# KiCad board keyboard.kicad_pcb (continued)
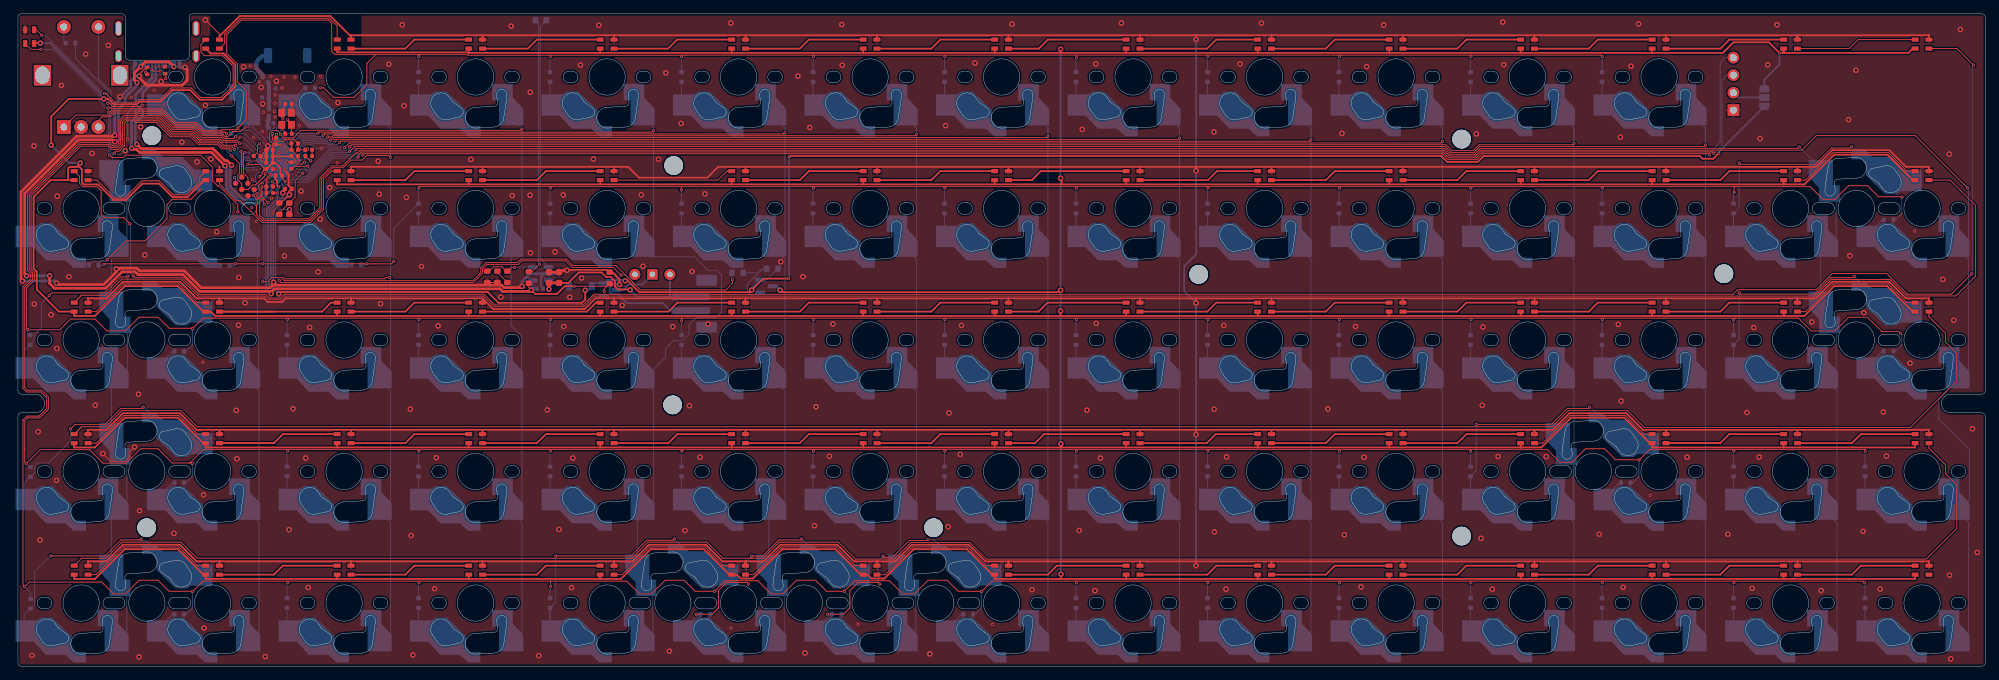
[diagram p0: board, top side]
## Routing (per net, layer and track width the routed paths; a pad name or vN(x,y) marks a point on that pad's centre or on a via; arc(x,y) is an arc through that point) (continued)
/BATP: length 31.5
  Top w0.25: v2(88.69,54.52) 88.64,54.57 86.93,54.57 86.49,55.02 86.49,55.78 85.89,56.38 85.2,56.38 84.55,57.03 81.25,57.03 79.75,55.52 C0.1
  Top w0.4: v2(76.93,54.62) C1.1 C0.1
  Bottom w0.25: v2(88.69,54.52) 89.71,53.5 J2.2 94.68,53.5 94.45,53.73 SW13.2
  Bottom w0.4: v2(76.93,54.62) 76.93,55.85 U2.3
/BATP_SENSE: length 8.1
  Top w0.13: R14.1 37.85,65.63 R13.2 40.15,67.93 40.15,70.3 v1(41.28,71.43)
  Bottom w0.13: U0.J1 41.19,71.52 v1(41.28,71.43)
/BATP_SW: length 73.7
  Top w0.13: v1(37.87,55.86) 38.14,55.58 66,55.58 67.32,56.9 67.32,57.59 67.94,58.21 72.51,58.21 73.02,58.72 79.33,58.72 80.31,57.74 86.28,57.74 v1(87.38,56.64) ; R13.1 39.31,66.12 v2(39.34,66.15)
  Bottom w0.13: 89.41,55.28 88.05,56.64 v1(87.38,56.64) ; v1(37.87,55.86) 37.33,56.4 37.33,65.46 38.02,66.15 v2(39.34,66.15)
  Bottom w0.25: SW13.1 90.44,55.28 88.48,55.28 87.7,54.5 Q0.3
/COL0: length 105.8
  Top w0.13: v1(13.96,74.31) 14.24,74.59 14.61,74.59 15.4,75.39 15.4,78.68 15.71,78.99 16.67,78.99 16.91,78.75 20,78.75 22.06,76.69 25.01,76.69 26.15,75.55 28.92,75.55 29.52,74.94 30.59,74.94 v1(30.77,74.76)
  Bottom w0.13: SW84.2 13.53,21.62 SW45.2 15.77,23.87 15.77,29.42 ; SW79.2 13.53,40.67 SW30.2 ; U0.AD18 33.05,71.87 32.28,72.64 32.28,73.25 v1(30.77,74.76) ; 13.73,74.13 13.78,74.13 v1(13.96,74.31) ; 13.73,74.13 13.73,72.3 SW76.2 ; 13.73,74.13 13.73,74.2 13.43,74.5 13.43,80 13.52,80.09 13.52,83.21 11.65,85.08 SW0.S2 ; SW83.2 13.53,59.72 SW15.2 15.78,61.98 15.78,67.45 ; SW30.2 15.87,43.02 15.87,48.52 15.73,48.66 ; SW30.2 15.77,42.92 ; SW60.2 15.77,4.82 15.77,10.37
/COL1: length 124.3
  Top w0.13: v1(13.08,80.27) 13.13,80.32 13.38,80.32 13.61,80.55 17.35,80.55 17.59,80.31 20.65,80.31 22.71,78.25 25.67,78.25 26.81,77.11 29.62,77.11 30.04,76.69 30.4,76.69 31.16,77.45 32.29,77.45 v1(32.93,78.09) ; v1(13.29,74.02) 13.63,73.68 15.26,73.68 15.61,74.02 26.47,74.02 28.21,72.28 28.21,70.3 28.96,69.55 29.17,69.55 31.85,66.87 v1(31.85,65.82)
  Bottom w0.13: SW61.2 34.92,4.92 34.92,20.83 SW46.2 ; SW16.2 34.69,59.16 34.69,47.91 34.87,47.73 34.87,42.97 SW31.2 ; 34.92,23.97 SW46.2 ; 34.92,23.97 34.92,39.88 SW31.2 ; 34.92,23.97 SW46.2 ; v1(13.29,74.02) 13.17,74.14 13.17,80.18 v1(13.08,80.27) ; SW1.2 33.35,78.22 33.22,78.09 v1(32.93,78.09) 34.02,78.09 U0.J24 ; SW31.2 34.92,43.02 ; v1(31.85,65.82) 31.85,65.13
/COL2: length 130.6
  Top w0.13: v1(34.09,68.19) 34.68,67.6 34.68,66.89 34.56,66.77 34.56,65.42 35.45,64.53 42.24,64.53 44,66.29 44,70.64 45.57,72.21 47.13,72.21 48.23,73.31 49.86,73.31 50.51,73.96 53.73,73.96 v1(53.97,73.72) ; 38.34,56.44 38.67,56.11 53.08,56.11 53.27,56.3 v1(53.86,56.3)
  Bottom w0.13: 53.97,56.13 53.97,43.02 SW32.2 53.97,39.88 53.97,23.97 SW47.2 53.97,20.83 53.97,4.92 SW62.2 ; 53.97,56.13 53.97,58.93 SW17.2 53.97,62.07 v1(53.97,73.72) 53.97,77.98 SW2.2 ; 53.97,56.13 53.97,56.19 v1(53.86,56.3) ; U0.AD16 34.91,71.52 34.41,71.02 34.41,70.23 34.63,70.01 34.63,69.05 34.09,68.51 v1(34.09,68.19)
/COL3: length 117
  Top w0.13: v1(38.42,76.52) 39.89,76.52 41,77.63 72.84,77.63 v1(73.02,77.8)
  Bottom w0.13: U0.B19 38.65,76.29 v1(38.42,76.52) ; SW3.2 73.02,77.98 ; 73.02,77.98 73.02,62.07 SW18.2 71.45,49.31 72.97,47.79 72.97,42.97 SW33.2 73.02,39.88 73.02,23.97 SW48.2 73.02,20.83 73.02,4.92 SW63.2 ; 73.02,77.98 v1(73.02,77.8)
/COL4: length 145.5
  Top w0.13: v1(43.43,77.18) 43.61,77.36 91.85,77.36 v1(92.07,77.58)
  Bottom w0.13: 92.07,77.97 92.07,62.07 SW19.2 91.7,59.3 98.02,59.3 100.01,57.31 101.28,57.31 101.93,56.66 101.93,51.26 101.15,50.48 98.24,50.48 97.22,49.45 97.22,48.06 96.35,47.2 94.99,47.2 93.84,46.05 93.84,44.79 SW34.2 92.07,39.88 92.07,23.97 SW49.2 89.72,21.62 SW75.2 ; 92.07,77.97 v1(92.07,77.58) ; 92.07,77.97 90.5,79.54 SW4.2 ; SW64.2 91.97,4.82 91.97,10.37 ; U0.A20 39.18,77.18 v1(43.43,77.18)
/COL5: length 148.7
  Top w0.13: v1(44.23,76.92) 44.41,77.1 110.94,77.1 v1(111.12,77.28)
  Bottom w0.13: v1(44.23,76.92) 44.05,76.74 43.25,76.74 43.07,76.92 40.34,76.92 U0.A16 ; SW5.2 111.12,77.98 v1(111.12,77.28) 111.12,62.07 SW20.2 111.12,58.93 111.12,43.02 SW35.2 111.12,39.88 111.12,23.97 SW50.2 108.78,21.62 SW78.2 ; 111.02,10.37 111.02,4.82 SW65.2
/COL6: length 168.4
  Top w0.13: v1(130.17,77.03) 129.98,76.84 45.68,76.84 45.5,76.66 v1(44.88,76.66)
  Bottom w0.13: 130.17,77.98 130.17,62.07 SW21.2 130.17,58.93 130.17,43.02 SW36.2 130.17,39.88 130.17,23.97 SW51.2 127.82,21.62 SW80.2 ; 130.17,77.98 SW6.2 ; 130.17,77.98 v1(130.17,77.03) ; v1(44.88,76.66) 44.7,76.48 43.14,76.48 42.96,76.66 40.78,76.66 U0.A14 ; 130.05,10.37 130.07,10.35 130.07,4.82 SW66.2
/COL7: length 194.5
  Top w0.13: v1(149.22,76.79) 149.01,76.58 45.79,76.58 45.43,76.22 v1(45.29,76.22)
  Bottom w0.13: v1(149.22,76.79) 149.22,77.98 ; 149.22,77.98 SW7.2 ; 149.22,77.98 149.22,62.07 SW22.2 149.22,58.93 149.22,43.02 SW37.2 149.22,39.88 149.22,23.97 SW52.2 149.22,20.83 149.22,4.92 ; v1(45.29,76.22) 43.03,76.22 42.85,76.4 41.23,76.4 U0.A12 ; 149.22,4.92 SW67.2 149.22,4.92
/COL8: length 211.7
  Top w0.13: v1(45.94,76.11) 46.15,76.32 143.44,76.32 143.45,76.31 168.09,76.31 v1(168.27,76.49)
  Bottom w0.13: v1(45.94,76.11) 45.61,75.78 45.06,75.78 44.88,75.96 42.92,75.96 42.74,76.14 41.34,76.14 40.59,75.39 U0.A10 ; 168.27,77.98 v1(168.27,76.49) ; 168.27,77.98 168.27,62.07 SW23.2 168.27,58.93 168.27,43.02 SW38.2 168.27,39.88 168.27,23.97 SW53.2 168.27,20.83 168.27,4.92 SW68.2 ; 168.27,77.98 SW8.2
/COL9: length 230.8
  Top w0.13: v1(46.57,75.84) 46.79,76.06 138.38,76.06 138.39,76.05 187.12,76.05 v1(187.32,76.25)
  Bottom w0.13: v1(187.32,76.25) 187.32,77.98 ; 187.32,77.98 187.32,62.07 SW24.2 187.32,58.93 187.32,43.02 SW39.2 187.32,39.88 187.32,23.97 SW54.2 187.32,20.83 187.32,4.92 SW69.2 ; 187.32,77.98 SW9.2 ; v1(46.57,75.84) 46.25,75.52 44.96,75.52 44.78,75.7 42.82,75.7 42.64,75.88 41.45,75.88 40.95,75.38 U0.A8
/COL10: length 250.8
  Top w0.13: v1(47.32,75.13) 47.98,75.79 206.15,75.79 v1(206.37,76.01)
  Bottom w0.13: U0.F2 41.36,72.4 41.77,71.99 42.19,71.99 45.13,74.93 47.12,74.93 v1(47.32,75.13) ; SW70.2 206.37,4.92 206.37,20.83 SW55.2 206.37,23.97 206.37,39.88 SW40.2 206.37,43.02 206.37,58.93 SW25.2 206.37,62.07 206.37,77.98 ; 206.37,77.98 v1(206.37,76.01) ; 206.37,77.98 SW10.2
/COL11: length 278.2
  Top w0.13: v1(48.06,75.22) 48.37,75.53 206.91,75.53 207.76,74.68 210.81,74.68 211.66,75.53 225.22,75.53 v1(225.42,75.73)
  Bottom w0.13: v1(225.42,75.73) 225.42,77.98 ; 225.42,77.98 SW11.2 ; 225.42,77.98 225.42,62.07 SW26.2 225.42,58.93 225.42,43.02 SW41.2 225.42,39.88 225.42,23.97 SW56.2 ; U0.G1 41.52,71.87 41.66,71.73 42.3,71.73 45.24,74.67 47.49,74.67 48.04,75.22 v1(48.06,75.22) ; SW56.2 225.32,23.87 225.32,29.42 ; SW56.2 225.42,20.83 225.42,4.92 SW71.2
/COL12: length 293
  Top w0.13: v1(48.03,74.59) 48.09,74.59 48.77,75.27 206.77,75.27 207.63,74.41 210.91,74.41 211.77,75.27 244.27,75.27 v1(244.47,75.47)
  Bottom w0.13: SW12.2 244.47,77.98 ; U0.L1 40.43,70.98 41.92,70.98 45.35,74.41 47.85,74.41 v1(48.03,74.59) ; 244.47,23.97 SW57.2 ; 244.47,23.97 244.47,39.88 SW42.2 244.47,43.02 244.47,58.93 SW27.2 244.47,62.07 244.47,77.98 ; 244.47,23.97 SW57.2 ; SW57.2 244.47,20.83 244.47,4.92 SW72.2 ; 244.47,77.98 v1(244.47,75.47)
/COL13: length 291
  Top w0.13: v1(258.06,75.23) 257.84,75.01 211.88,75.01 211.02,74.15 207.52,74.15 206.66,75.01 49.14,75.01 v1(48.95,74.82)
  Bottom w0.13: 263.42,67.52 263.42,61.97 SW28.2 261.18,59.72 SW77.2 ; v1(48.95,74.82) 48.28,74.15 45.46,74.15 42.02,70.72 39.98,70.72 U0.N1 ; 263.42,42.92 263.42,48.47 ; 263.42,42.92 SW43.2 ; 263.42,42.92 SW43.2 ; v1(258.06,75.23) 261.18,72.11 SW82.2 ; SW43.2 263.52,39.88 263.52,23.97 SW58.2 263.52,20.83 263.52,4.92 SW73.2
/COL14: length 342.5
  Top w0.13: v1(34.63,68.43) 34.63,68.02 35.04,67.61 35.04,66.55 35.03,66.54 35.03,65.32 35.56,64.79 42.13,64.79 43.74,66.4 43.74,70.75 45.46,72.47 47.02,72.47 48.9,74.35 49.2,74.35 49.6,74.75 206.55,74.75 207.41,73.89 211.13,73.89 211.99,74.75 258.43,74.75 260.54,76.86 274.86,76.86 v1(282.48,69.24)
  Bottom w0.13: 282.57,62.07 282.57,69.15 v1(282.48,69.24) ; 282.57,62.07 SW29.2 ; 282.57,62.07 SW29.2 ; SW44.2 278.27,38.72 278.27,35.82 282.71,31.38 282.71,24.11 SW59.2 282.57,20.83 282.57,4.92 SW74.2 ; SW44.2 282.57,43.02 ; SW44.2 282.57,43.02 ; SW29.2 282.57,58.93 282.57,43.02 ; U0.AD12 35.53,70.81 34.89,70.17 34.89,68.69 v1(34.63,68.43)
/D1+: length 7.5
  Bottom w0.13: 19.96,85.78 19.99,85.75 20.8,85.75 21.04,85.99 21.04,86.62 20.93,86.73
  Bottom w0.4: U3.6 18.06,83.05 19.96,84.95 19.96,86.73
/D1-: length 7.6
  Top w0.13: v1(20.6,86.19) 19.61,86.19 v1(19.38,86.42)
  Bottom w0.13: v1(20.6,86.19) 20.6,86.52 J0.A7
  Bottom w0.4: U3.4 17.06,82.8 19.43,85.17 19.43,86.73
/D2+: length 29.7
  Top w0.4: v2(17.2,75.61) 17.85,74.96 28.26,74.96 30.01,73.21 30.32,73.21 v2(30.95,72.58)
  Bottom w0.4: v2(30.95,72.58) 30.75,72.38 30.75,69.46 32.58,67.62 34.64,67.62 35.41,68.39 R8.1 ; v2(17.2,75.61) 17,75.81 17,78.65 18.06,79.71 U3.1
/D2-: length 30.7
  Top w0.4: v2(16.47,75.01) 16.6,74.88 17.18,74.88 17.64,74.42 28.05,74.42 v2(29.99,72.48)
  Bottom w0.4: R6.1 35.9,68.13 34.86,67.09 32.37,67.09 30.22,69.24 30.22,72.25 v2(29.99,72.48) ; U3.3 17.06,79.46 16.57,78.96 16.55,78.96 16.47,78.89 v2(16.47,75.01)
/D3+: length 1.1
  Bottom w0.25: R8.2 36.06,69.11 U0.AD6
/D3-: length 1.1
  Bottom w0.25: R6.2 36.36,68.7 U0.AD4
/ENC_A: length 32
  Top w0.13: SW0.A 8.38,79.83 13.26,79.83 13.52,80.09 13.52,80.09 13.72,80.29 17.25,80.29 17.49,80.05 20.55,80.05 22.61,77.99 25.56,77.99 26.71,76.85 29.51,76.85 29.93,76.43 31.27,76.43 v1(31.56,76.72)
  Bottom w0.13: v1(31.56,76.72) 32,77.16 32.83,77.16 U0.R24
/ENC_B: length 26.9
  Top w0.13: v1(32.2,76.64) 31.72,76.17 29.82,76.17 29.41,76.59 26.6,76.59 25.45,77.73 22.5,77.73 20.44,79.79 17.38,79.79 17.14,80.03 13.83,80.03 13.78,79.98 13.78,79.98 13.37,79.57 12.18,79.57 11.65,79.04 SW0.B
  Bottom w0.13: v1(32.2,76.64) 32.64,76.64 U0.U24
/LED_D: length 48.7
  Top w0.13: v1(35.82,71.34) 35.82,71.1 34.43,69.71 33.99,69.71 33.33,69.05 J1.3 32.42,69.88 31.83,70.47 31.83,71.09 32.11,71.37 32.11,72.78 v1(30.97,73.92) ; LED0.3 1.89,89.35 v1(3.33,89.35) ; v1(30.22,77.13) 29.98,77.37 26.93,77.37 25.78,78.51 22.82,78.51 20.76,80.57 17.7,80.57 17.46,80.81 13.65,80.81 13.59,80.87 v1(13.06,80.87)
  Bottom w0.13: v1(30.97,73.92) 30.22,74.67 v1(30.22,77.13) ; v1(13.06,80.87) 12.88,80.87 11.71,82.04 11.71,82.74 5.1,89.35 v1(3.33,89.35)
/LED_EN: length 89.9
  Top w0.13: v1(35.47,55.69) 36.2,55.69 36.81,56.3 38.11,56.3 38.56,55.84 65.9,55.84 67.05,57 67.05,57.69 67.83,58.47 71.2,58.47 71.21,58.48 72.4,58.48 72.9,58.98 79.45,58.98 80.4,58.03 86.63,58.03 90.15,54.51 102.57,54.51 103.51,55.45 v1(103.51,56) ; v1(35.33,69.42) 35.33,68.06 v1(36.24,67.15)
  Bottom w0.13: v1(103.51,56) 103.44,56.07 R12.2 ; v1(35.47,55.69) 35.47,56.01 35.9,56.44 35.9,65.02 35.75,65.17 35.75,66.33 36.24,66.82 v1(36.24,67.15) ; v1(35.33,69.42) 35.61,69.42 36.3,70.11 U0.AD8
/ROW0: length 295.9
  Top w0.13: v1(172.39,88.3) 172.39,88.52 ; v1(58.09,88.3) 58.09,88.59 ; 58.09,88.59 65.1,88.59 65.18,88.5 96.17,88.5 ; 58.09,88.59 51.83,88.59 ; v1(153.36,88.14) 153.36,88.52 ; 153.36,88.52 96.8,88.52 96.78,88.5 96.17,88.5 ; 153.36,88.52 229.32,88.52 v1(229.54,88.3) ; v1(134.29,88.3) 134.29,88.52 ; v1(115.24,88.3) 115.24,88.52 ; v1(191.44,88.3) 191.44,88.52 ; 96.17,88.5 96.17,88.35 v1(96.14,88.32) ; v1(210.49,88.3) 210.49,88.52 ; v1(13.02,81.55) 13.27,81.55 13.75,81.07 17.57,81.07 17.81,80.83 20.87,80.83 22.93,78.77 25.89,78.77 27.03,77.63 29.47,77.63 29.55,77.71 31.63,77.71 v1(31.85,77.93) 33.07,79.15 33.07,83.37 31.81,84.63 31.81,87.19 30.25,88.75 30.25,91.48 32.36,93.59 45.04,93.59 45.45,93.18 45.45,89.07 45.94,88.59 51.83,88.59 ; 51.83,88.59 50.55,87.31 50.55,84.25 48.7,82.4 45.7,82.4 44.32,83.78 v1(43.83,83.78) ; v1(77.14,88.3) 77.14,88.52 v1(77.14,88.3)
  Bottom w0.13: 77.09,88.25 v1(77.14,88.3) 77.09,88.25 ; 77.09,88.25 D4.1 ; D12.1 229.49,88.25 v1(229.54,88.3) ; U0.L24 33.76,77.65 32.13,77.65 v1(31.85,77.93) 31.09,77.17 D1.1 ; v1(115.24,88.3) 115.19,88.25 D6.1 ; v1(134.29,88.3) 134.24,88.25 D7.1 ; v1(58.09,88.3) 58.04,88.25 D3.1 ; v1(13.02,81.55) 13.02,83.34 8.32,88.04 D0.1 ; D9.1 172.34,88.25 v1(172.39,88.3) ; D11.1 210.44,88.25 v1(210.49,88.3) ; D2.1 43.08,83.78 v1(43.83,83.78) ; D10.1 191.39,88.25 v1(191.44,88.3) ; v1(96.14,88.32) 96.14,88.32 D5.1 ; D8.1 153.29,88.07 v1(153.36,88.14)
/ROW1: length 317
  Top w0.13: 249.13,69.47 259.65,69.47 261.49,67.63 263.23,67.63 265.2,69.6 267.96,69.6 269.56,68 272.99,68 ; 249.13,69.47 96.11,69.47 ; 249.13,69.47 248.62,69.47 v1(248.62,68.68) ; v1(77.14,69.25) 77.14,69.47 ; 96.11,69.47 96.13,69.45 v1(96.13,68.99) ; 96.11,69.47 58.09,69.47 v1(58.09,69.25) ; v1(153.34,69.25) 153.34,69.47 ; v1(134.29,69.25) 134.29,69.47 ; v1(191.44,69.25) 191.44,69.47 ; v1(35.67,66.88) 35.64,66.91 35.64,67.13 35.53,67.24 35.53,67.49 35.07,67.95 35.07,69.03 34.88,69.22 34.88,69.65 35.24,70.01 v1(35.44,70.01) ; v1(54.45,58.62) 54.11,58.28 v1(50.51,58.28) 50.5,58.29 v1(31.54,58.29) 31.53,58.28 12.56,58.28 v1(12.45,58.17) ; v1(115.24,69.25) 115.24,69.47 ; v1(229.54,69.25) 229.54,69.47 ; v1(172.39,69.25) 172.39,69.47 ; v1(210.49,69.25) 210.49,69.47
  Bottom w0.13: v1(35.45,58.29) 35.62,58.46 35.62,64.87 35.47,65.02 35.47,66.68 v1(35.67,66.88) ; v1(229.54,69.25) 229.49,69.2 D27.1 ; v1(153.34,69.25) 153.29,69.2 D23.1 ; D21.1 115.19,69.2 v1(115.24,69.25) ; v1(31.54,58.29) 31.3,58.05 D16.1 ; v1(134.29,69.25) 134.24,69.2 D22.1 ; v1(50.51,58.28) 50.38,58.15 D17.1 ; v1(248.62,68.68) 248.54,68.6 D28.1 ; D19.1 77.09,69.2 v1(77.14,69.25) ; v1(54.45,58.62) 54.45,63.41 D18.1 58.04,69.2 v1(58.09,69.25) ; v1(172.39,69.25) 172.34,69.2 D24.1 ; v1(272.95,67.97) 272.92,67.94 272.92,65.57 272.03,64.68 271.72,64.68 ; v1(210.49,69.25) 210.44,69.2 D26.1 ; D20.1 96.14,68.98 v1(96.13,68.99) ; D15.1 12.39,58.11 v1(12.45,58.17) ; v1(35.44,70.01) 35.89,70.46 U0.AD10 ; D25.1 191.39,69.2 v1(191.44,69.25)
/ROW2: length 380.2
  Top w0.13: 96.16,50.42 248.75,50.42 ; 96.16,50.42 96.15,50.41 v1(96.15,49.98) ; 96.16,50.42 28.2,50.42 ; 248.75,50.42 257.95,50.42 259.79,48.58 263.23,48.58 265.2,50.55 267.96,50.55 270.01,48.5 272.45,48.5 v1(272.72,48.23) ; 248.75,50.42 248.75,50.36 v1(248.54,50.15) ; v1(210.49,50.2) 210.49,50.42 ; v1(229.54,50.2) 229.54,50.42 ; v1(77.14,50.2) 77.14,50.42 ; v1(153.34,50.2) 153.34,50.42 ; v1(31.36,74.88) 31.03,75.2 29.63,75.2 29.02,75.81 26.26,75.81 25.11,76.95 22.18,76.95 20.12,79.01 19.67,79.01 ; v1(58.09,50.2) 58.09,50.42 ; v1(115.24,50.2) 115.24,50.42 ; 19.67,79.01 19.6,79.01 ; 19.67,79.01 17.02,79.01 16.78,79.25 15.56,79.25 15.14,78.83 15.14,75.49 14.5,74.85 13.56,74.85 13.09,75.32 9.11,75.32 1.89,68.11 1.89,57.53 2.37,57.06 2.37,55.88 1.25,54.76 1.25,48.91 v1(1.43,48.73) 6.07,48.73 7.62,50.28 11.17,50.28 12.87,48.58 15.58,48.58 17.55,50.55 20.31,50.55 21.91,48.95 25.34,48.95 26.81,50.42 28.4,50.42 ; v1(191.44,50.2) 191.44,50.42 ; v1(134.29,50.2) 134.29,50.42 ; v1(39.04,50.2) 39.04,50.42 ; v1(172.39,50.2) 172.39,50.42
  Bottom w0.13: D40.1 191.39,50.15 v1(191.44,50.2) ; v1(39.04,50.2) 38.99,50.15 D32.1 ; v1(210.49,50.2) 210.44,50.15 D41.1 ; v1(229.54,50.2) 229.49,50.15 D42.1 ; v1(1.43,48.73) 1.43,48.27 D30.1 ; D33.1 58.04,50.15 v1(58.09,50.2) ; D34.1 77.09,50.15 v1(77.14,50.2) ; D44.1 272.03,45.63 272.92,46.52 272.92,48.03 v1(272.72,48.23) ; v1(25.3,48.92) 25.27,48.89 25.27,46.52 24.38,45.63 24.07,45.63 ; D37.1 134.24,50.15 v1(134.29,50.2) ; D39.1 172.34,50.15 v1(172.39,50.2) ; D36.1 115.19,50.15 v1(115.24,50.2) ; U0.AD20 33.06,72.23 32.54,72.75 32.54,73.36 31.36,74.54 v1(31.36,74.88) ; D38.1 153.29,50.15 v1(153.34,50.2) ; 248.54,49.55 D43.1 v1(248.54,50.15) ; v1(96.15,49.98) 96.14,49.97 D35.1
/ROW3: length 401.9
  Top w0.13: 0.99,31.61 0.99,29.56 v1(1.21,29.34) 3.24,31.37 10.37,31.37 12.33,29.41 15.68,29.41 17.77,31.5 20.31,31.5 22.37,29.44 24.8,29.44 ; 0.99,31.61 0.99,31.47 ; 0.99,31.61 0.99,35.55 1.4,35.96 3.16,35.96 4.43,37.23 4.43,38.99 3.43,39.98 1.36,39.98 0.99,40.36 0.99,54.87 2.11,55.99 2.11,56.95 1.64,57.42 1.64,68.22 9,75.58 13.2,75.58 13.67,75.11 14.39,75.11 14.88,75.6 14.88,78.94 15.45,79.51 16.89,79.51 17.13,79.27 20.22,79.27 22.28,77.21 25.22,77.21 26.37,76.07 29.18,76.07 29.78,75.46 v1(31.53,75.46) ; v1(191.44,31.15) 191.44,31.37 ; 28.4,31.37 26.83,31.37 24.9,29.44 24.8,29.44 ; v1(77.14,31.15) 77.14,31.37 ; 24.8,29.44 25.21,29.44 v1(25.27,29.38) ; 210.45,31.37 28.2,31.37 ; 210.45,31.37 210.43,31.35 v1(210.43,31.13) ; 210.45,31.37 221.55,31.37 223.39,29.53 225.13,29.53 227.1,31.5 229.86,31.5 231.46,29.9 234.89,29.9 236.36,31.37 237.95,31.37 ; v1(39.04,31.15) 39.04,31.37 ; 237.65,31.37 267.64,31.37 v1(267.64,31.15) ; v1(115.24,31.15) 115.24,31.37 ; v1(172.39,31.15) 172.39,31.37 ; v1(58.09,31.15) 58.09,31.37 ; v1(134.29,31.15) 134.29,31.37 ; v1(153.34,31.15) 153.34,31.37 ; v1(248.59,31.15) 248.59,31.37 ; v1(96.19,31.15) 96.19,31.37
  Bottom w0.13: D50.1 96.14,31.1 v1(96.19,31.15) ; v1(31.53,75.46) 31.82,75.17 31.82,74.45 33.01,73.25 33.65,73.25 33.88,73.03 U0.AD22 ; v1(77.14,31.15) 77.09,31.1 D49.1 ; v1(39.04,31.15) 38.99,31.1 D47.1 ; v1(248.59,31.15) 248.54,31.1 D58.1 ; v1(267.64,31.15) 267.59,31.1 D59.1 ; D45.1 1.73,28.82 v1(1.21,29.34) ; v1(234.85,29.87) 234.82,29.84 234.82,27.47 233.93,26.58 233.62,26.58 ; D55.1 191.39,31.1 v1(191.44,31.15) ; v1(210.43,31.13) 210.44,31.12 D56.1 210.44,30.5 ; v1(134.29,31.15) 134.24,31.1 D52.1 ; v1(25.27,29.38) 25.27,27.47 24.38,26.58 D46.1 ; D54.1 172.34,31.1 v1(172.39,31.15) ; v1(153.34,31.15) 153.29,31.1 D53.1 ; v1(58.09,31.15) 58.04,31.1 D48.1 ; D51.1 115.19,31.1 v1(115.24,31.15)
/ROW4: length 427.1
  Top w0.13: v1(191.44,12.1) 191.44,12.32 ; v1(210.49,12.1) 210.49,12.32 ; 142.5,12.32 267.32,12.32 v1(267.54,12.1) ; v1(39.04,12.1) 39.04,12.32 ; v1(153.34,12.1) 153.34,12.32 ; 142.7,12.32 141.11,12.32 139.64,10.85 136.21,10.85 134.61,12.45 131.85,12.45 129.88,10.48 128.14,10.48 126.24,12.38 121.24,12.38 v1(119.71,10.85) 117.16,10.85 115.56,12.45 112.8,12.45 110.83,10.48 109.09,10.48 107.19,12.38 102.43,12.38 v1(100.9,10.85) 98.11,10.85 96.51,12.45 93.75,12.45 91.78,10.48 90.04,10.48 88.2,12.32 77.17,12.32 ; v1(77.17,11.53) 77.17,12.32 ; 77.17,12.32 28.45,12.32 ; 28.4,12.32 28.45,12.32 ; 28.45,12.32 26.81,12.32 25.34,10.85 21.91,10.85 20.31,12.45 17.55,12.45 15.58,10.48 13.84,10.48 12.14,12.18 1.62,12.18 v1(0.97,11.53) 0.73,11.77 0.73,35.66 1.29,36.22 3.05,36.22 4.17,37.34 4.17,38.88 3.33,39.72 1.26,39.72 0.73,40.25 0.73,54.98 1.85,56.1 1.85,56.84 1.38,57.31 1.38,68.33 8.89,75.84 13.3,75.84 13.78,75.37 14.28,75.37 14.62,75.71 14.62,79.01 14.6,79.03 15.34,79.77 17.02,79.77 17.26,79.53 20.33,79.53 22.39,77.47 25.33,77.47 26.47,76.33 29.28,76.33 29.7,75.91 31.97,75.91 v1(32.14,75.74) ; v1(229.54,12.1) 229.54,12.32 ; v1(58.09,12.1) 58.09,12.32 ; v1(248.59,12.1) 248.59,12.32 ; v1(172.39,12.1) 172.39,12.32
  Bottom w0.13: D71.1 210.44,12.05 v1(210.49,12.1) ; D69.1 172.34,12.05 v1(172.39,12.1) ; v1(229.54,12.1) 229.49,12.05 D72.1 ; v1(153.34,12.1) 153.29,12.05 D68.1 ; U0.W24 32.84,75.74 v1(32.14,75.74) ; v1(77.17,11.53) 77.09,11.45 D64.1 ; v1(25.3,10.82) 25.27,10.79 25.27,8.42 24.38,7.53 D61.1 ; v1(100.9,10.85) 101.41,10.85 101.47,10.79 101.47,8.42 100.58,7.53 D65.1 ; v1(191.44,12.1) 191.39,12.05 D70.1 ; v1(39.04,12.1) 38.99,12.05 D62.1 ; v1(248.59,12.1) 248.54,12.05 D73.1 ; v1(0.97,11.53) 1.82,10.68 D60.1 ; D63.1 58.04,12.05 v1(58.09,12.1) ; D74.1 267.59,12.05 v1(267.54,12.1) ; v1(119.71,10.85) 120.52,10.04 120.52,8.42 119.63,7.53 D66.1 ; D67.1 138.68,7.53 139.57,8.42 139.57,10.79 v1(139.6,10.82)
/SCL: length 222.3
  Top w0.13: v1(245.7,74.31) 245.52,74.49 212.1,74.49 211.24,73.63 207.3,73.63 206.44,74.49 49.73,74.49 49.39,74.15 49.39,73.88 v1(49.26,73.75)
  Bottom w0.13: U0.U1 42.15,70.11 45.64,73.6 49.11,73.6 v1(49.26,73.75) ; J3.3 247.59,85.62 246.87,84.9 246.87,75.48 v1(245.7,74.31)
/SDA: length 224.3
  Top w0.13: v1(245.06,74.05) 244.88,74.23 212.21,74.23 211.35,73.37 207.19,73.37 206.33,74.23 50.11,74.23 v1(49.93,74.05)
  Bottom w0.13: U0.R1 42.13,70.46 45.56,73.89 48.71,73.89 49.02,74.2 49.78,74.2 v1(49.93,74.05) ; v1(245.06,74.05) 245.06,74.35 246.61,75.9 246.61,87.46 247.31,88.16 J3.4